# KiCad board Turbo_XT_Mainboard R3.kicad_pcb
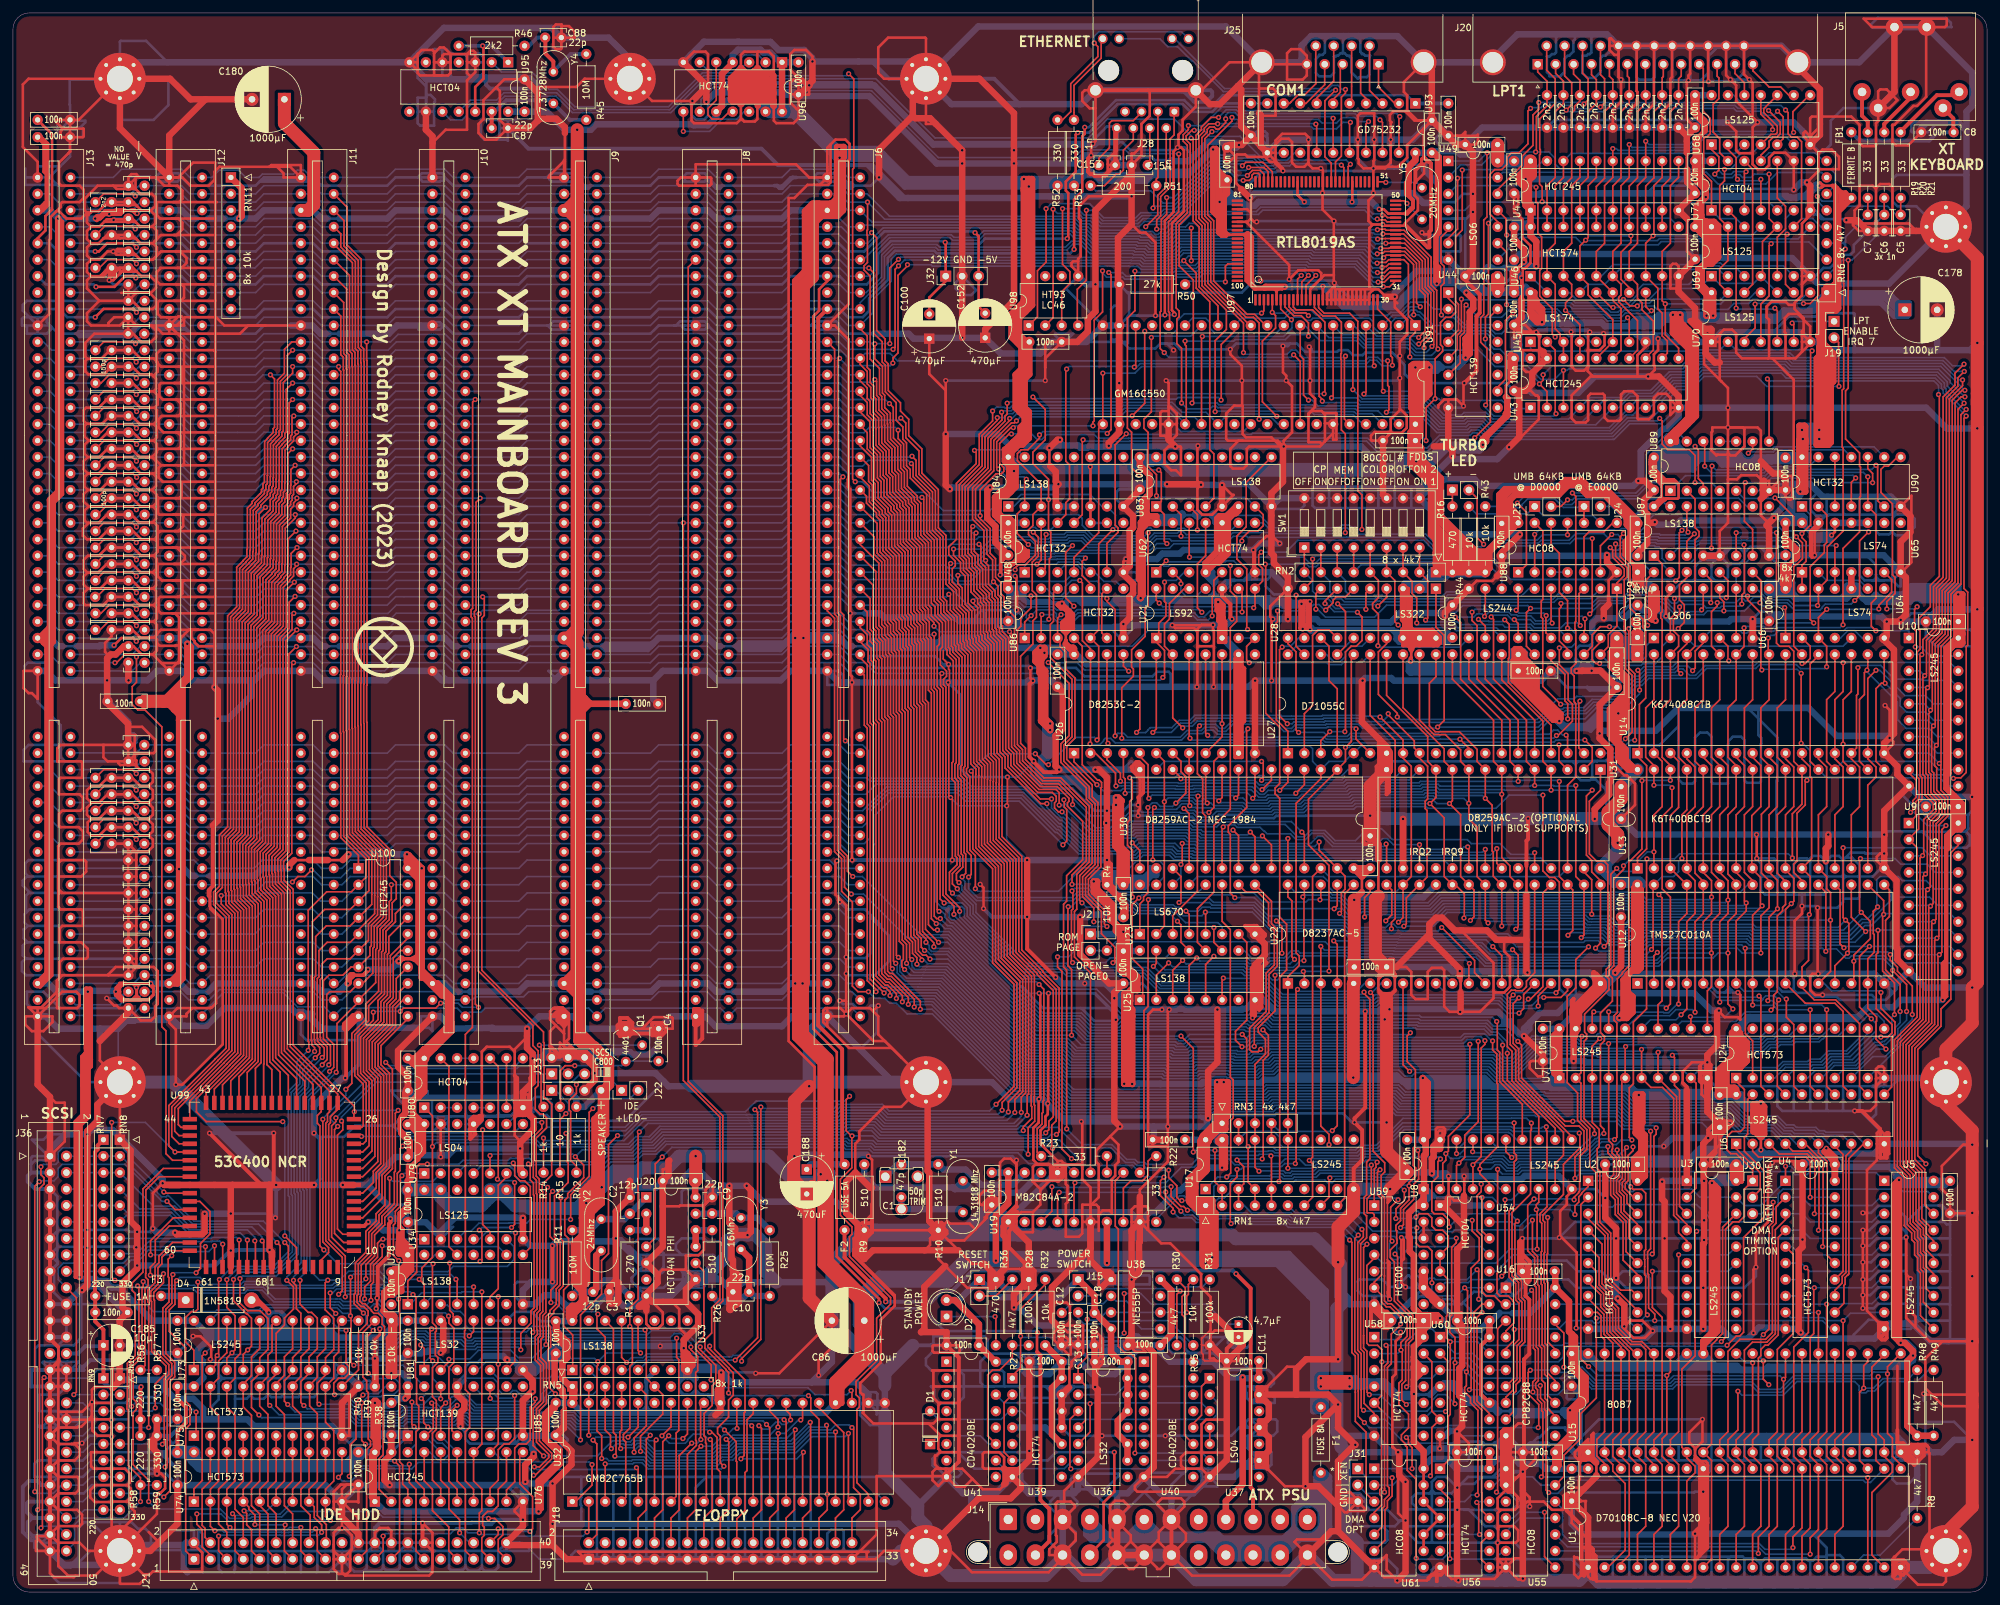
[diagram p0: board, top side]
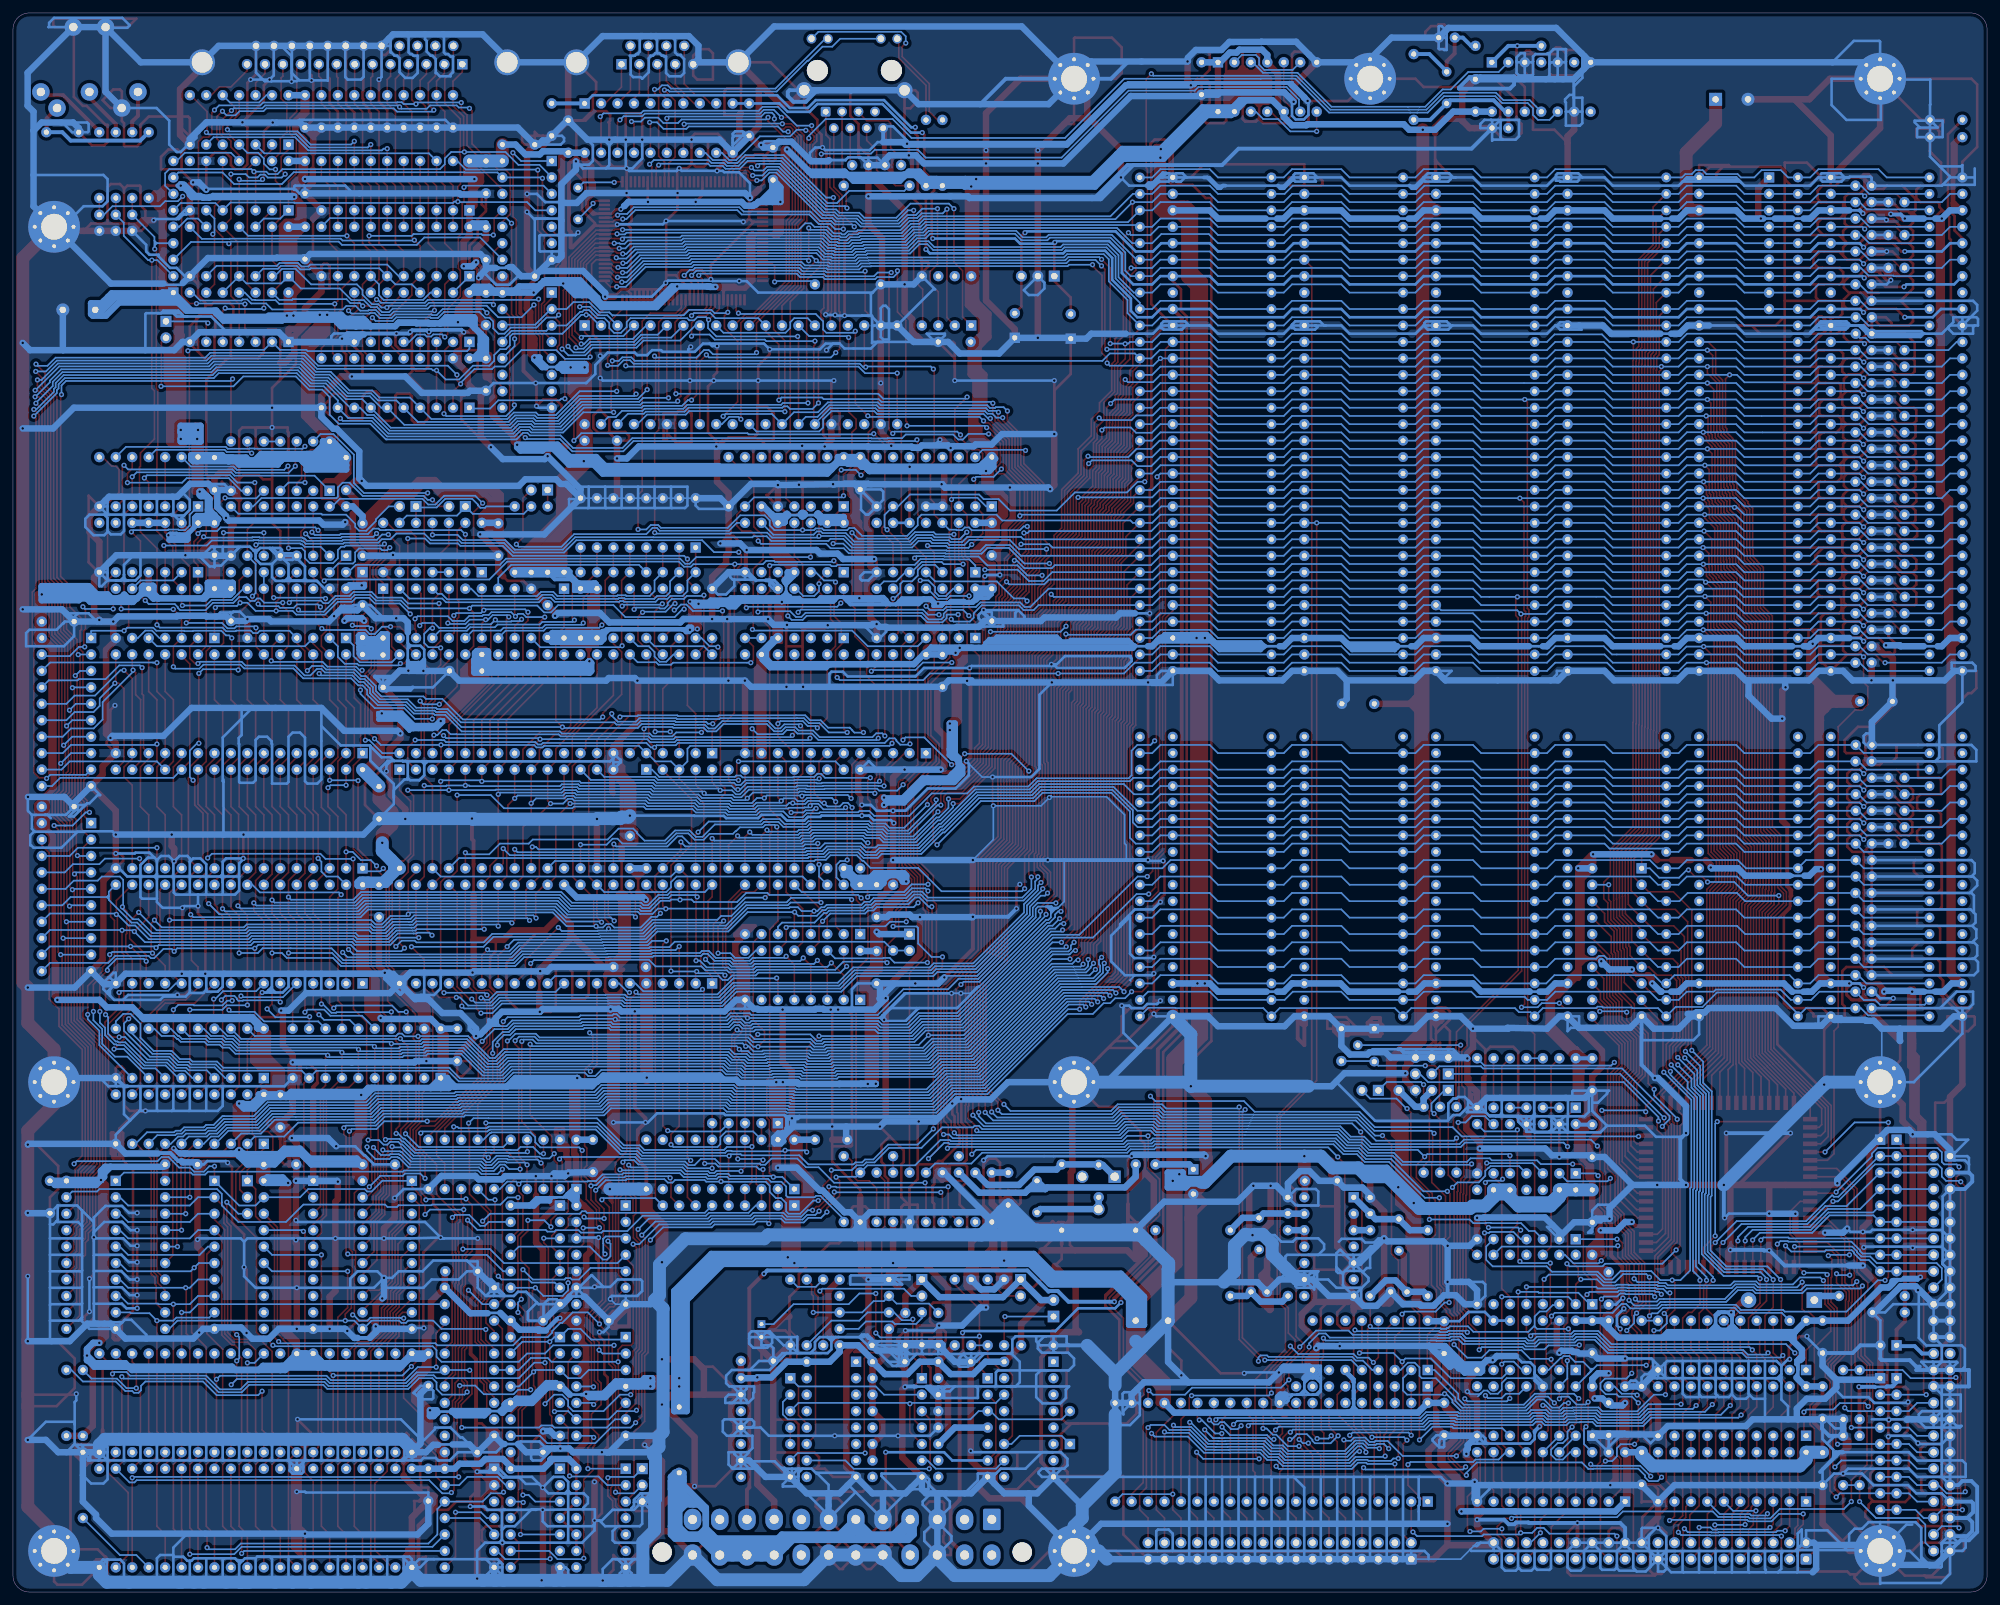
[diagram p1: board, bottom side, seen from below]

Outline 304.8 x 243.84 mm; copper layers: Top, Bottom. Coordinates in mm from the lower left corner of the outline.
Outline path: 0,241.3 arc(0.74,243.1) 2.54,243.84 302.26,243.84 arc(304.06,243.1) 304.8,241.3 304.8,2.54 arc(304.06,0.74) 302.26,0 2.54,0 arc(0.74,0.74) 0,2.54 0,241.3

## Placement (name value [footprint] x y rotation side)
C1  50p  [Trimmer_C]  134.7 64.13 0 top
C2  12p  [C_Disc_D3.8mm_W2.6mm_P2.50mm]  95.25 60.92 270 top
C3  12p  [C_Disc_D3.8mm_W2.6mm_P2.50mm]  89.57 46.36 0 top
C4  100n  [C_Disc_D5.0mm_W2.5mm_P5.00mm]  99.69 82 90 top
C5  1nF  [C_Disc_D3.8mm_W2.6mm_P2.50mm]  291.46 212.69 270 top
C6  1nF  [C_Disc_D3.8mm_W2.6mm_P2.50mm]  288.93 212.69 270 top
C7  1nF  [C_Disc_D3.8mm_W2.6mm_P2.50mm]  286.38 212.69 270 top
C8  100nF  [C_Rect_L7.0mm_W2.0mm_P5.00mm]  299.64 225.43 180 top
C9  22pF  [C_Disc_D3.8mm_W2.6mm_P2.50mm]  107.95 60.96 270 top
C10  22pF  [C_Disc_D3.8mm_W2.6mm_P2.50mm]  113.66 46.36 180 top
C11  4,7uF  [CP_Radial_D4.0mm_P2.00mm]  189.23 41.37 270 top
C12  100nF  [C_Disc_D4.7mm_W2.5mm_P5.00mm]  161.93 43.1 270 top
C13  100nF  [C_Disc_D4.7mm_W2.5mm_P5.00mm]  164.46 43.18 270 top
C14  100nF  [C_Rect_L7.0mm_W2.0mm_P5.00mm]  161.93 35.56 180 top
C15  100nF  [C_Rect_L7.0mm_W2.0mm_P5.00mm]  172.08 35.56 180 top
C16  100nF  [C_Rect_L7.0mm_W2.0mm_P5.00mm]  177.16 38.1 180 top
C17  100nF  [C_Rect_L7.0mm_W2.0mm_P5.00mm]  192.4 35.69 180 top
C18  100nF  [C_Rect_L7.0mm_W2.0mm_P5.00mm]  167 43.1 270 top
C21  2,2nF  [C_Disc_D4.7mm_W2.5mm_P5.00mm]  239.39 231.14 270 top
C22  2,2nF  [C_Disc_D4.7mm_W2.5mm_P5.00mm]  241.94 231.14 270 top
C23  2,2nF  [C_Disc_D4.7mm_W2.5mm_P5.00mm]  244.47 231.14 270 top
C24  2,2nF  [C_Disc_D4.7mm_W2.5mm_P5.00mm]  247.01 231.14 270 top
C25  2,2nF  [C_Disc_D4.7mm_W2.5mm_P5.00mm]  249.56 231.14 270 top
C26  2,2nF  [C_Disc_D4.7mm_W2.5mm_P5.00mm]  252.09 231.14 270 top
C27  2,2nF  [C_Disc_D4.7mm_W2.5mm_P5.00mm]  254.63 231.14 270 top
C28  2,2nF  [C_Disc_D4.7mm_W2.5mm_P5.00mm]  257.18 231.14 270 top
C29  2,2nF  [C_Disc_D4.7mm_W2.5mm_P5.00mm]  236.85 231.14 270 top
C30  100nF  [C_Rect_L7.0mm_W2.0mm_P5.00mm]  60.96 82.42 270 top
C31  100nF  [C_Rect_L7.0mm_W2.0mm_P5.00mm]  240.66 36.83 270 top
C32  100nF  [C_Rect_L7.0mm_W2.0mm_P5.00mm]  266.06 66.04 180 top
C33  100nF  [C_Rect_L7.0mm_W2.0mm_P5.00mm]  60.96 72.18 270 top
C34  100nF  [C_Rect_L7.0mm_W2.0mm_P5.00mm]  250.82 66.04 180 top
C35  100nF  [C_Rect_L7.0mm_W2.0mm_P5.00mm]  299.08 63.5 270 top
C36  100nF  [C_Rect_L7.0mm_W2.0mm_P5.00mm]  153.67 154.94 270 top
C37  100nF  [C_Rect_L7.0mm_W2.0mm_P5.00mm]  78.99 228.6 90 top
C38  100nF  [C_Rect_L7.0mm_W2.0mm_P5.00mm]  60.96 62.1 270 top
C39  100nF  [C_Rect_L7.0mm_W2.0mm_P5.00mm]  173.99 175.26 270 top
C40  100nF  [C_Rect_L7.0mm_W2.0mm_P5.00mm]  240.66 19.05 270 top
C41  100nF  [C_Rect_L7.0mm_W2.0mm_P5.00mm]  250.82 165.02 270 top
C42  100nF  [C_Rect_L7.0mm_W2.0mm_P5.00mm]  25.4 41.91 270 top
C43  100nF  [C_Rect_L7.0mm_W2.0mm_P5.00mm]  231.77 200.66 270 top
C44  100nF  [C_Rect_L7.0mm_W2.0mm_P5.00mm]  263.52 76.75 270 top
C45  100nF  [C_Rect_L7.0mm_W2.0mm_P5.00mm]  53.34 21.59 270 top
C46  100nF  [C_Rect_L7.0mm_W2.0mm_P5.00mm]  121.28 236.22 270 top
C47  100nF  [C_Rect_L7.0mm_W2.0mm_P5.00mm]  271.14 154.94 270 top
C48  100nF  [C_Rect_L7.0mm_W2.0mm_P5.00mm]  273.69 175.18 270 top
C49  100nF  [C_Rect_L7.0mm_W2.0mm_P5.00mm]  171.45 98.98 270 top
C50  100nF  [C_Rect_L7.0mm_W2.0mm_P5.00mm]  247.65 144.7 270 top
C51  100nF  [C_Rect_L7.0mm_W2.0mm_P5.00mm]  259.71 231.14 270 top
C52  100nF  [C_Rect_L7.0mm_W2.0mm_P5.00mm]  161.29 144.78 270 top
C53  100nF  [C_Rect_L7.0mm_W2.0mm_P5.00mm]  207.09 96.52 0 top
C54  100nF  [C_Rect_L7.0mm_W2.0mm_P5.00mm]  171.45 109.22 270 top
C55  100nF  [C_Rect_L7.0mm_W2.0mm_P5.00mm]  273.69 165.1 270 top
C56  100nF  [C_Rect_L7.0mm_W2.0mm_P5.00mm]  300.35 149.86 180 top
C57  100nF  [C_Rect_L7.0mm_W2.0mm_P5.00mm]  231.77 220.98 270 top
C58  100nF  [C_Rect_L7.0mm_W2.0mm_P5.00mm]  259.71 210.82 270 top
C59  100nF  [C_Rect_L7.0mm_W2.0mm_P5.00mm]  3.81 224.66 0 top
C60  100nF  [C_Rect_L7.0mm_W2.0mm_P5.00mm]  215.26 69.85 270 top
C61  100nF  [C_Rect_L7.0mm_W2.0mm_P5.00mm]  250.82 147.4 90 top
C62  100nF  [C_Rect_L7.0mm_W2.0mm_P5.00mm]  229.24 223.52 180 top
C63  100nF  [C_Rect_L7.0mm_W2.0mm_P5.00mm]  231.77 210.74 270 top
C64  100nF  [C_Rect_L7.0mm_W2.0mm_P5.00mm]  238.12 21.59 180 top
C65  100nF  [C_Rect_L7.0mm_W2.0mm_P5.00mm]  232.41 142.24 0 top
C66  100nF  [C_Rect_L7.0mm_W2.0mm_P5.00mm]  222.25 147.4 90 top
C67  100nF  [C_Rect_L7.0mm_W2.0mm_P5.00mm]  229.87 165.02 270 top
C68  100nF  [C_Rect_L7.0mm_W2.0mm_P5.00mm]  217.81 41.91 180 top
C69  100nF  [C_Rect_L7.0mm_W2.0mm_P5.00mm]  248.28 124.38 270 top
C70  100nF  [C_Rect_L7.0mm_W2.0mm_P5.00mm]  231.77 190.5 270 top
C71  100nF  [C_Rect_L7.0mm_W2.0mm_P5.00mm]  216.53 177.8 180 top
C72  100nF  [C_Rect_L7.0mm_W2.0mm_P5.00mm]  281.31 66.04 180 top
C73  100nF  [C_Rect_L7.0mm_W2.0mm_P5.00mm]  187.45 218.06 90 top
C74  100nF  [C_Rect_L7.0mm_W2.0mm_P5.00mm]  209.55 111.76 90 top
C75  100nF  [C_Rect_L7.0mm_W2.0mm_P5.00mm]  259.71 220.98 270 top
C76  100nF  [C_Rect_L7.0mm_W2.0mm_P5.00mm]  227.96 41.91 180 top
C77  100nF  [C_Rect_L7.0mm_W2.0mm_P5.00mm]  300.35 121.28 180 top
C78  100nF  [C_Rect_L7.0mm_W2.0mm_P5.00mm]  149.14 38.1 180 top
C79  100nF  [C_Rect_L7.0mm_W2.0mm_P5.00mm]  219.07 222.25 90 top
C80  100nF  [C_Rect_L7.0mm_W2.0mm_P5.00mm]  25.4 21.51 270 top
C81  100nF  [C_Rect_L7.0mm_W2.0mm_P5.00mm]  248.28 109.22 270 top
C82  100nF  [C_Rect_L7.0mm_W2.0mm_P5.00mm]  227.96 21.59 180 top
C83  100nF  [C_Rect_L7.0mm_W2.0mm_P5.00mm]  238.04 49.53 180 top
C84  100nF  [C_Rect_L7.0mm_W2.0mm_P5.00mm]  236.22 87 270 top
C85  100nF  [C_Rect_L7.0mm_W2.0mm_P5.00mm]  229.24 203.2 180 top
C86  1000µF  [CP_Radial_D10.0mm_P5.00mm]  131.44 41.91 180 top
C87  22pF  [C_Disc_D3.8mm_W2.6mm_P2.50mm]  76.41 226.06 180 top
C88  22pF  [C_Disc_D3.8mm_W2.6mm_P2.50mm]  82.17 240.03 0 top
C89  100nF  [C_Rect_L7.0mm_W2.0mm_P5.00mm]  58.42 29.21 270 top
C90  100nF  [C_Rect_L7.0mm_W2.0mm_P5.00mm]  60.96 41.91 270 top
C91  100nF  [C_Rect_L7.0mm_W2.0mm_P5.00mm]  83.82 41.83 270 top
C92  100nF  [C_Rect_L7.0mm_W2.0mm_P5.00mm]  153.67 165.1 270 top
C93  100nF  [C_Rect_L7.0mm_W2.0mm_P5.00mm]  253.37 175.18 270 top
C94  100nF  [C_Rect_L7.0mm_W2.0mm_P5.00mm]  151.13 64.77 270 top
C95  100nF  [C_Rect_L7.0mm_W2.0mm_P5.00mm]  105.33 63.5 180 top
C96  100nF  [C_Rect_L7.0mm_W2.0mm_P5.00mm]  83.82 29.21 270 top
C97  100nF  [C_Rect_L7.0mm_W2.0mm_P5.00mm]  156.93 193.04 0 top
C98  2n2  [C_Disc_D3.8mm_W2.6mm_P2.50mm]  15.24 214.63 180 top
C99  100nF  [C_Rect_L7.0mm_W2.0mm_P5.00mm]  191.13 229.87 270 top
C100  100µF  [CP_Radial_D8.0mm_P3.80mm]  141.48 193.55 90 top
C101  470p  [C_Disc_D3.8mm_W2.6mm_P2.50mm]  15.24 209.55 180 top
C102  470p  [C_Disc_D3.8mm_W2.6mm_P2.50mm]  15.24 204.47 180 top
C103  470p  [C_Disc_D3.8mm_W2.6mm_P2.50mm]  15.24 191.77 180 top
C104  150p  [C_Disc_D3.8mm_W2.6mm_P2.50mm]  15.24 189.23 180 top
C105  470p  [C_Disc_D3.8mm_W2.6mm_P2.50mm]  17.78 194.31 0 top
C106  470p  [C_Disc_D3.8mm_W2.6mm_P2.50mm]  15.24 186.69 180 top
C107  470p  [C_Disc_D3.8mm_W2.6mm_P2.50mm]  15.24 184.15 180 top
C108  470p  [C_Disc_D3.8mm_W2.6mm_P2.50mm]  15.24 181.61 180 top
C109  470p  [C_Disc_D3.8mm_W2.6mm_P2.50mm]  15.24 179.07 180 top
C110  470p  [C_Disc_D3.8mm_W2.6mm_P2.50mm]  15.24 176.53 180 top
C111  470p  [C_Disc_D3.8mm_W2.6mm_P2.50mm]  15.24 173.99 180 top
C112  470p  [C_Disc_D3.8mm_W2.6mm_P2.50mm]  15.24 171.45 180 top
C113  100p  [C_Disc_D3.8mm_W2.6mm_P2.50mm]  15.24 168.91 180 top
C114  470p  [C_Disc_D3.8mm_W2.6mm_P2.50mm]  15.24 166.37 180 top
C115  470p  [C_Disc_D3.8mm_W2.6mm_P2.50mm]  15.24 163.83 180 top
C116  470p  [C_Disc_D3.8mm_W2.6mm_P2.50mm]  15.24 161.29 180 top
C117  470p  [C_Disc_D3.8mm_W2.6mm_P2.50mm]  15.24 158.75 180 top
C118  470p  [C_Disc_D3.8mm_W2.6mm_P2.50mm]  15.24 156.21 180 top
C119  470p  [C_Disc_D3.8mm_W2.6mm_P2.50mm]  15.2 153.67 180 top
C120  470p  [C_Disc_D3.8mm_W2.6mm_P2.50mm]  15.24 151.13 180 top
C121  470p  [C_Disc_D3.8mm_W2.6mm_P2.50mm]  15.24 148.59 180 top
C122  470p  [C_Disc_D3.8mm_W2.6mm_P2.50mm]  20.32 199.39 180 top
C123  470p  [C_Disc_D3.8mm_W2.6mm_P2.50mm]  20.32 201.93 180 top
C124  470p  [C_Disc_D3.8mm_W2.6mm_P2.50mm]  20.32 204.47 180 top
C125  470p  [C_Disc_D3.8mm_W2.6mm_P2.50mm]  20.32 207.01 180 top
C126  470p  [C_Disc_D3.8mm_W2.6mm_P2.50mm]  20.32 209.55 180 top
C127  470p  [C_Disc_D3.8mm_W2.6mm_P2.50mm]  20.32 212.09 180 top
C128  470p  [C_Disc_D3.8mm_W2.6mm_P2.50mm]  20.32 214.63 180 top
C129  470p  [C_Disc_D3.8mm_W2.6mm_P2.50mm]  20.32 217.17 180 top
C130  470p  [C_Disc_D3.8mm_W2.6mm_P2.50mm]  20.32 143.51 180 top
C131  470p  [C_Disc_D3.8mm_W2.6mm_P2.50mm]  20.32 146.05 180 top
C132  470p  [C_Disc_D3.8mm_W2.6mm_P2.50mm]  20.32 148.59 180 top
C133  470p  [C_Disc_D3.8mm_W2.6mm_P2.50mm]  20.32 151.13 180 top
C134  470p  [C_Disc_D3.8mm_W2.6mm_P2.50mm]  20.32 153.67 180 top
C135  470p  [C_Disc_D3.8mm_W2.6mm_P2.50mm]  20.32 156.21 180 top
C136  470p  [C_Disc_D3.8mm_W2.6mm_P2.50mm]  20.32 158.75 180 top
C137  470p  [C_Disc_D3.8mm_W2.6mm_P2.50mm]  20.32 161.29 180 top
C138  470p  [C_Disc_D3.8mm_W2.6mm_P2.50mm]  20.32 163.83 180 top
C139  470p  [C_Disc_D3.8mm_W2.6mm_P2.50mm]  20.32 166.37 180 top
C140  470p  [C_Disc_D3.8mm_W2.6mm_P2.50mm]  20.32 168.91 180 top
C141  470p  [C_Disc_D3.8mm_W2.6mm_P2.50mm]  20.32 171.45 180 top
C142  470p  [C_Disc_D3.8mm_W2.6mm_P2.50mm]  20.32 173.99 180 top
C143  470p  [C_Disc_D3.8mm_W2.6mm_P2.50mm]  20.32 176.53 180 top
C144  470p  [C_Disc_D3.8mm_W2.6mm_P2.50mm]  20.32 179.07 180 top
C145  470p  [C_Disc_D3.8mm_W2.6mm_P2.50mm]  20.32 181.61 180 top
C146  470p  [C_Disc_D3.8mm_W2.6mm_P2.50mm]  20.32 184.15 180 top
C147  470p  [C_Disc_D3.8mm_W2.6mm_P2.50mm]  20.32 186.69 180 top
C148  470p  [C_Disc_D3.8mm_W2.6mm_P2.50mm]  20.32 189.23 180 top
C149  470p  [C_Disc_D3.8mm_W2.6mm_P2.50mm]  20.32 191.77 180 top
C150  470p  [C_Disc_D3.8mm_W2.6mm_P2.50mm]  17.78 196.85 0 top
C151  100nF  [C_Rect_L7.0mm_W2.0mm_P5.00mm]  3.81 227.33 0 top
C152  100µF  [CP_Radial_D8.0mm_P3.80mm]  150.11 193.68 90 top
C153  1n  [C_Disc_D3.8mm_W2.6mm_P2.50mm]  170.18 220.34 180 top
C154  1n  [C_Disc_D3.8mm_W2.6mm_P2.50mm]  172.72 220.34 0 top
C155  470p  [C_Disc_D3.8mm_W2.6mm_P2.50mm]  17.78 115.57 0 top
C156  470p  [C_Disc_D3.8mm_W2.6mm_P2.50mm]  17.78 118.11 0 top
C157  470p  [C_Disc_D3.8mm_W2.6mm_P2.50mm]  17.78 120.65 0 top
C158  470p  [C_Disc_D3.8mm_W2.6mm_P2.50mm]  17.78 123.19 0 top
C159  470p  [C_Disc_D3.8mm_W2.6mm_P2.50mm]  17.78 125.73 0 top
C160  470p  [C_Disc_D3.8mm_W2.6mm_P2.50mm]  17.82 128.27 0 top
C161  470p  [C_Disc_D3.8mm_W2.6mm_P2.50mm]  17.78 130.81 0 top
C162  470p  [C_Disc_D3.8mm_W2.6mm_P2.50mm]  15.24 125.73 180 top
C163  470p  [C_Disc_D3.8mm_W2.6mm_P2.50mm]  15.24 123.19 180 top
C164  470p  [C_Disc_D3.8mm_W2.6mm_P2.50mm]  15.24 120.65 180 top
C165  470p  [C_Disc_D3.8mm_W2.6mm_P2.50mm]  15.24 115.57 180 top
C166  470p  [C_Disc_D3.8mm_W2.6mm_P2.50mm]  15.24 118.11 180 top
C167  470p  [C_Disc_D3.8mm_W2.6mm_P2.50mm]  17.78 113.03 0 top
C168  470p  [C_Disc_D3.8mm_W2.6mm_P2.50mm]  17.78 110.49 0 top
C169  470p  [C_Disc_D3.8mm_W2.6mm_P2.50mm]  20.32 107.95 180 top
C170  470p  [C_Disc_D3.8mm_W2.6mm_P2.50mm]  20.32 105.41 180 top
C171  470p  [C_Disc_D3.8mm_W2.6mm_P2.50mm]  20.32 102.87 180 top
C172  470p  [C_Disc_D3.8mm_W2.6mm_P2.50mm]  20.32 100.33 180 top
C173  470p  [C_Disc_D3.8mm_W2.6mm_P2.50mm]  20.32 97.79 180 top
C174  470p  [C_Disc_D3.8mm_W2.6mm_P2.50mm]  20.32 95.25 180 top
C175  470p  [C_Disc_D3.8mm_W2.6mm_P2.50mm]  20.32 92.71 180 top
C176  470p  [C_Disc_D3.8mm_W2.6mm_P2.50mm]  20.32 90.17 180 top
C177  100nF  [C_Rect_L7.0mm_W2.0mm_P5.00mm]  25.4 31.75 270 top
C178  1000µF  [CP_Radial_D10.0mm_P5.00mm]  292.1 197.99 0 top
C179  100nF  [C_Rect_L7.0mm_W2.0mm_P5.00mm]  94.61 137.16 0 top
C180  1000µF  [CP_Radial_D10.0mm_P5.00mm]  41.91 230.5 180 top
C181  100nF  [C_Rect_L7.0mm_W2.0mm_P5.00mm]  180.97 69.85 180 top
C182  47pF  [C_Rect_L7.0mm_W2.0mm_P5.00mm]  137.16 65.96 270 top
C183  100nF  [C_Rect_L7.0mm_W2.0mm_P5.00mm]  19.6 137.54 180 top
C184  100nF  [C_Rect_L7.0mm_W2.0mm_P5.00mm]  58.42 49.4 270 top
C185  10µF  [CP_Radial_D6.3mm_P2.50mm]  13.97 38.1 0 top
C186  100nF  [C_Rect_L7.0mm_W2.0mm_P5.00mm]  12.7 43.18 0 top
C187  100nF  [C_Rect_L7.0mm_W2.0mm_P5.00mm]  221.62 229.87 270 top
C188  100µF  [CP_Radial_D8.0mm_P3.80mm]  122.56 65.27 270 top
D1  1N4148  [D_DO-35_SOD27_P5.08mm_Horizontal]  141.6 21.59 90 top
D2  LED  [LED_D5.0mm]  144.14 42.55 90 top
D4  1N5819  [D_DO-15_P10.16mm_Horizontal]  26.67 45.08 0 top
F1  FUSE 8A  [R_Axial_DIN0207_L6.3mm_D2.5mm_P10.16mm_Horizontal]  201.93 28.57 270 top
F2  FUSE 5A  [R_Axial_DIN0207_L6.3mm_D2.5mm_P10.16mm_Horizontal]  128.4 66.04 270 top
F3  FUSE 1A  [R_Axial_DIN0207_L6.3mm_D2.5mm_P10.16mm_Horizontal]  22.86 45.72 180 top
FB1  Ferrite_Bead_Small  [R_Axial_DIN0207_L6.3mm_D2.5mm_P10.16mm_Horizontal]  283.84 225.43 270 top
H1  MountingHole_Pad  [MountingHole_4mm_Pad_Via]  16.51 233.68 0 top
H2  MountingHole_Pad  [MountingHole_4mm_Pad_Via]  16.51 78.74 0 top
H3  MountingHole_Pad  [MountingHole_4mm_Pad_Via]  95.25 233.68 0 top
H4  MountingHole_Pad  [MountingHole_4mm_Pad_Via]  140.97 78.74 0 top
H5  MountingHole_Pad  [MountingHole_4mm_Pad_Via]  140.97 233.68 0 top
H6  MountingHole_Pad  [MountingHole_4mm_Pad_Via]  16.51 6.35 0 top
H7  MountingHole_Pad  [MountingHole_4mm_Pad_Via]  298.45 210.82 0 top
H8  MountingHole_Pad  [MountingHole_4mm_Pad_Via]  140.97 6.35 0 top
H9  MountingHole_Pad  [MountingHole_4mm_Pad_Via]  298.45 78.74 0 top
H10  MountingHole_Pad  [MountingHole_4mm_Pad_Via]  298.45 6.35 0 top
J1  SPEAKER  [PinHeader_1x04_P2.54mm_Vertical]  83.18 77.47 90 top
J2  Conn_01x02  [PinHeader_1x02_P2.54mm_Vertical]  166.37 101.6 0 top
J4  Conn_01x02  [PinHeader_1x02_P2.54mm_Vertical]  222.25 170.18 90 top
J5  Conn_01x05_Shielded  [DIN_5P_FEMALE_PCB]  285.5 231.65 180 top
J6  ISA_16bit_Slot  [PCB_edge_ISA_Slot]  128.27 200.66 270 top
J8  ISA_16bit_Slot  [PCB_edge_ISA_Slot]  107.95 200.66 270 top
J9  ISA_16bit_Slot  [PCB_edge_ISA_Slot]  87.63 200.66 270 top
J10  ISA_16bit_Slot  [PCB_edge_ISA_Slot]  67.31 200.66 270 top
J11  ISA_16bit_Slot  [PCB_edge_ISA_Slot]  46.99 200.66 270 top
J12  ISA_16bit_Slot  [PCB_edge_ISA_Slot]  26.67 200.66 270 top
J13  ISA_16bit_Slot  [PCB_edge_ISA_Slot]  6.35 200.66 270 top
J14  ATX-24 PSU  [Molex_Mini-Fit_Jr_5566-24A2_2x12_P4.20mm_Vertical]  153.67 11.21 0 top
J15  Conn_01x02  [PinHeader_1x02_P2.54mm_Vertical]  164.46 48.26 0 top
J17  Conn_01x02  [PinHeader_1x02_P2.54mm_Vertical]  149.22 48.26 0 top
J18  Conn_02x17_Odd_Even  [IDC-Header_2x17_P2.54mm_Vertical]  88.9 5.08 90 top
J19  Conn_01x02  [PinHeader_1x02_P2.54mm_Vertical]  281.18 196.22 0 top
J20  Conn_01x25_Shielded_LPT  [DSUB-25_Female_Horizontal_P2.77x2.84mm_EdgePinOffset4.94mm_Housed_MountingHolesOffset7.48mm]  235.42 235.92 180 top
J21  IDE_BUS  [IDC-Header_2x20_P2.54mm_Vertical]  27.94 5.08 90 top
J22  HDD_ACT_LED  [PinHeader_1x02_P2.54mm_Vertical]  93.98 77.47 90 top
J23  Conn_01x02  [PinHeader_1x02_P2.54mm_Vertical]  234.95 167.64 90 top
J24  Conn_01x02  [PinHeader_1x02_P2.54mm_Vertical]  242.57 167.64 90 top
J25  Conn_01x09_Shielded  [DSUB-9_Male_Horizontal_COMPORT]  210.84 235.92 180 top
J28  -  [RJ45_Hanrun_HR911105A]  179.32 228.6 180 top
J30  Conn_01x03  [PinHeader_1x03_P2.54mm_Vertical]  268.6 63.5 0 top
J31  Conn_01x03  [PinHeader_1x03_P2.54mm_Vertical]  207.64 19.05 0 top
J32  Conn_01x03  [PinHeader_1x03_P2.54mm_Vertical]  144.02 203.2 90 top
J33  SCSI_ADDRESS  [PinHeader_2x03_P2.54mm_Vertical]  83.18 80.01 90 top
J36  SCSI_INTERNAL  [IDC-Header_2x25_P2.54mm_Vertical]  5.71 67.31 0 top
Q1  2N4401  [TO-92_Wide]  94.61 87 270 top
R4  10k  [R_Axial_DIN0207_L6.3mm_D2.5mm_P10.16mm_Horizontal]  168.91 109.22 270 top
R8  4k7  [R_Axial_DIN0207_L6.3mm_D2.5mm_P10.16mm_Horizontal]  294 21.59 270 top
R9  510  [R_Axial_DIN0207_L6.3mm_D2.5mm_P10.16mm_Horizontal]  131.44 55.88 90 top
R10  510  [R_Axial_DIN0207_L6.3mm_D2.5mm_P10.16mm_Horizontal]  142.88 66.04 270 top
R11  10M  [R_Axial_DIN0207_L6.3mm_D2.5mm_P10.16mm_Horizontal]  86.36 45.72 90 top
R12  270  [R_Axial_DIN0207_L6.3mm_D2.5mm_P10.16mm_Horizontal]  95.25 55.88 270 top
R14  1k  [R_Axial_DIN0207_L6.3mm_D2.5mm_P10.16mm_Horizontal]  81.91 74.93 270 top
R15  10  [R_Axial_DIN0207_L6.3mm_D2.5mm_P10.16mm_Horizontal]  84.45 64.77 90 top
R16  470  [R_Axial_DIN0207_L6.3mm_D2.5mm_P10.16mm_Horizontal]  222.25 157.48 90 top
R19  33  [R_Axial_DIN0207_L6.3mm_D2.5mm_P10.16mm_Horizontal]  286.38 215.26 90 top
R20  33  [R_Axial_DIN0207_L6.3mm_D2.5mm_P10.16mm_Horizontal]  288.93 215.26 90 top
R21  33  [R_Axial_DIN0207_L6.3mm_D2.5mm_P10.16mm_Horizontal]  291.46 215.26 90 top
R22  33  [R_Axial_DIN0207_L6.3mm_D2.5mm_P10.16mm_Horizontal]  176.53 67.31 270 top
R23  33  [R_Axial_DIN0207_L6.3mm_D2.5mm_P10.16mm_Horizontal]  168.91 67.31 180 top
R25  10M  [R_Axial_DIN0207_L6.3mm_D2.5mm_P10.16mm_Horizontal]  116.84 45.72 90 top
R26  2k2  [R_Axial_DIN0207_L6.3mm_D2.5mm_P10.16mm_Horizontal]  107.95 45.72 90 top
R27  4k7  [R_Axial_DIN0207_L6.3mm_D2.5mm_P10.16mm_Horizontal]  154.31 48.26 270 top
R28  100k  [R_Axial_DIN0207_L6.3mm_D2.5mm_P10.16mm_Horizontal]  156.84 48.26 270 top
R30  4k7  [R_Axial_DIN0207_L6.3mm_D2.5mm_P10.16mm_Horizontal]  179.7 38.1 90 top
R31  100k  [R_Axial_DIN0207_L6.3mm_D2.5mm_P10.16mm_Horizontal]  184.78 38.1 90 top
R32  10k  [R_Axial_DIN0207_L6.3mm_D2.5mm_P10.16mm_Horizontal]  159.38 38.1 90 top
R35  10k  [R_Axial_DIN0207_L6.3mm_D2.5mm_P10.16mm_Horizontal]  182.25 48.26 270 top
R36  470  [R_Axial_DIN0207_L6.3mm_D2.5mm_P10.16mm_Horizontal]  151.76 38.1 90 top
R38  10k  [R_Axial_DIN0207_L6.3mm_D2.5mm_P10.16mm_Horizontal]  58.42 31.75 90 top
R39  10k  [R_Axial_DIN0207_L6.3mm_D2.5mm_P10.16mm_Horizontal]  55.88 41.91 270 top
R40  10k  [R_Axial_DIN0207_L6.3mm_D2.5mm_P10.16mm_Horizontal]  53.34 41.91 270 top
R42  1k  [R_Axial_DIN0207_L6.3mm_D2.5mm_P10.16mm_Horizontal]  86.99 64.77 90 top
R43  10k  [R_Axial_DIN0207_L6.3mm_D2.5mm_P10.16mm_Horizontal]  227.33 157.48 90 top
R44  10k  [R_Axial_DIN0207_L6.3mm_D2.5mm_P10.16mm_Horizontal]  224.79 157.48 90 top
R45  10M  [R_Axial_DIN0207_L6.3mm_D2.5mm_P10.16mm_Horizontal]  88.52 237.49 270 top
R46  2k2  [R_Axial_DIN0207_L6.3mm_D2.5mm_P10.16mm_Horizontal]  78.99 238.76 180 top
R48  4k7  [R_Axial_DIN0207_L6.3mm_D2.5mm_P10.16mm_Horizontal]  294 24.13 90 top
R49  4k7  [R_Axial_DIN0207_L6.3mm_D2.5mm_P10.16mm_Horizontal]  296.54 24.13 90 top
R50  27k  [R_Axial_DIN0207_L6.3mm_D2.5mm_P10.16mm_Horizontal]  180.97 201.93 180 top
R51  200  [R_Axial_DIN0207_L6.3mm_D2.5mm_P10.16mm_Horizontal]  176.53 217.17 180 top
R52  330  [R_Axial_DIN0207_L6.3mm_D2.5mm_P10.16mm_Horizontal]  161.29 217.17 90 top
R53  330  [R_Axial_DIN0207_L6.3mm_D2.5mm_P10.16mm_Horizontal]  163.83 217.17 90 top
R56  220  [R_Axial_DIN0207_L6.3mm_D2.5mm_P7.62mm_Horizontal]  19.68 26.67 90 top
R57  330  [R_Axial_DIN0207_L6.3mm_D2.5mm_P7.62mm_Horizontal]  22.22 26.67 90 top
R58  220  [R_Axial_DIN0207_L6.3mm_D2.5mm_P7.62mm_Horizontal]  19.68 24.13 270 top
R59  330  [R_Axial_DIN0207_L6.3mm_D2.5mm_P7.62mm_Horizontal]  22.22 24.13 270 top
RN1  8x 4k7  [R_Array_SIP9]  184.15 59.69 0 top
RN2  8x 4k7  [R_Array_SIP9]  219.71 157.48 180 top
RN3  4x 4k7  [R_Array_SIP5]  186.69 72.39 0 top
RN4  4k7 x 8  [R_Array_SIP9]  250.82 157.48 0 top
RN5  1kx8  [R_Array_SIP9]  86.36 31.75 0 top
RN6  4k7x8  [R_Array_SIP9]  280.03 200.66 90 top